# KiCad board [DFR1144][M027.00940](V1.0.0).kicad_pcb
title: MXM GPU Card Carrier for LattePanda Mu; date: 2024-10-12; rev: V1.0.0; company: DFRobot
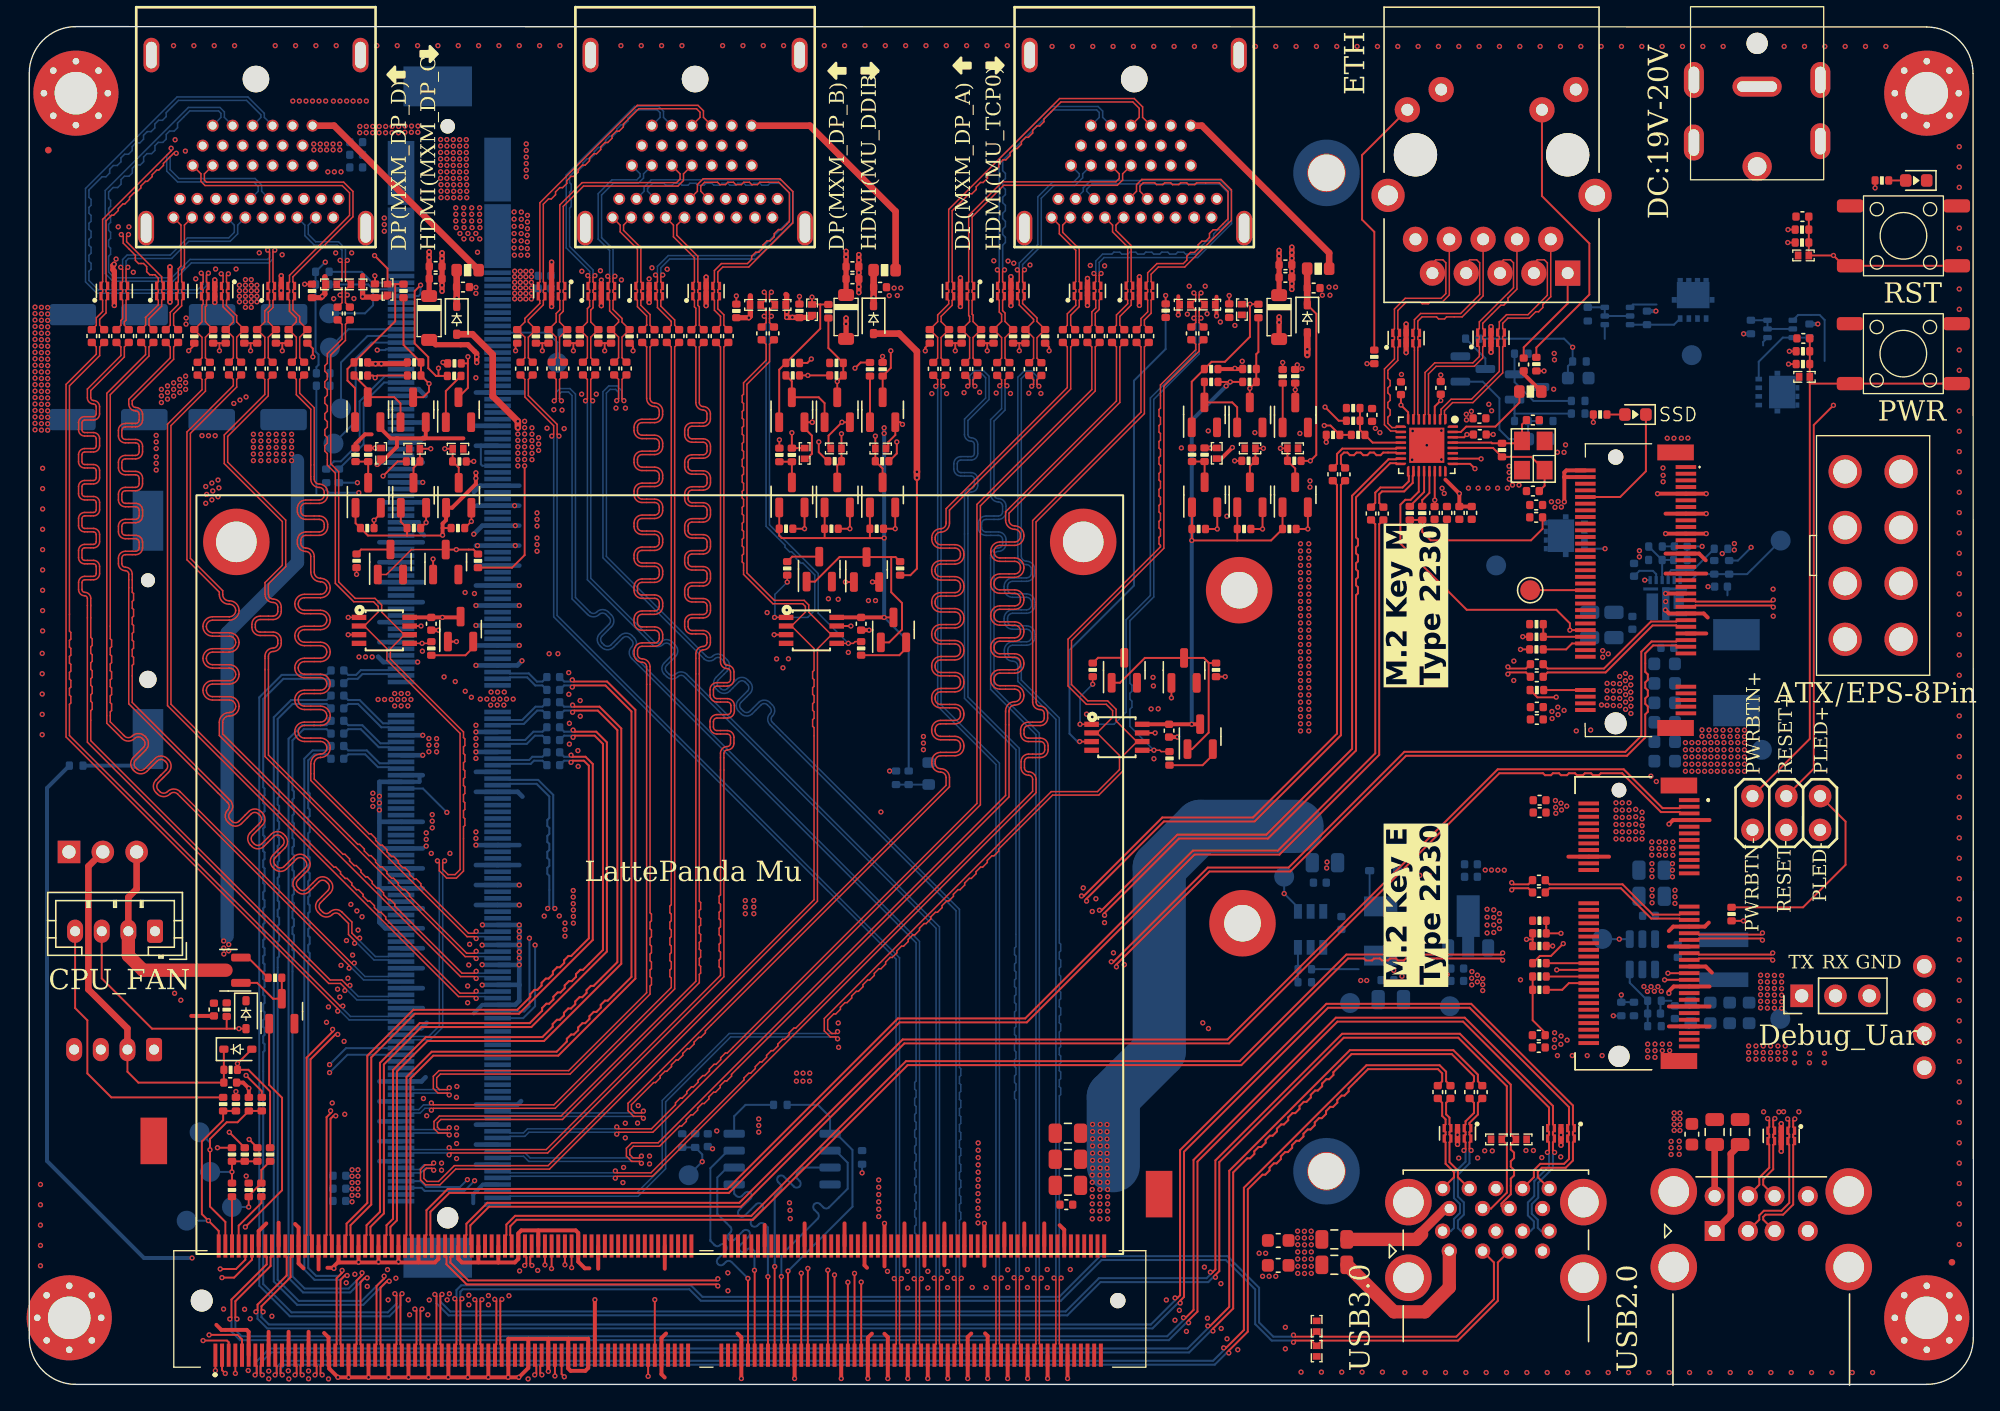
[diagram p0: board, top side]
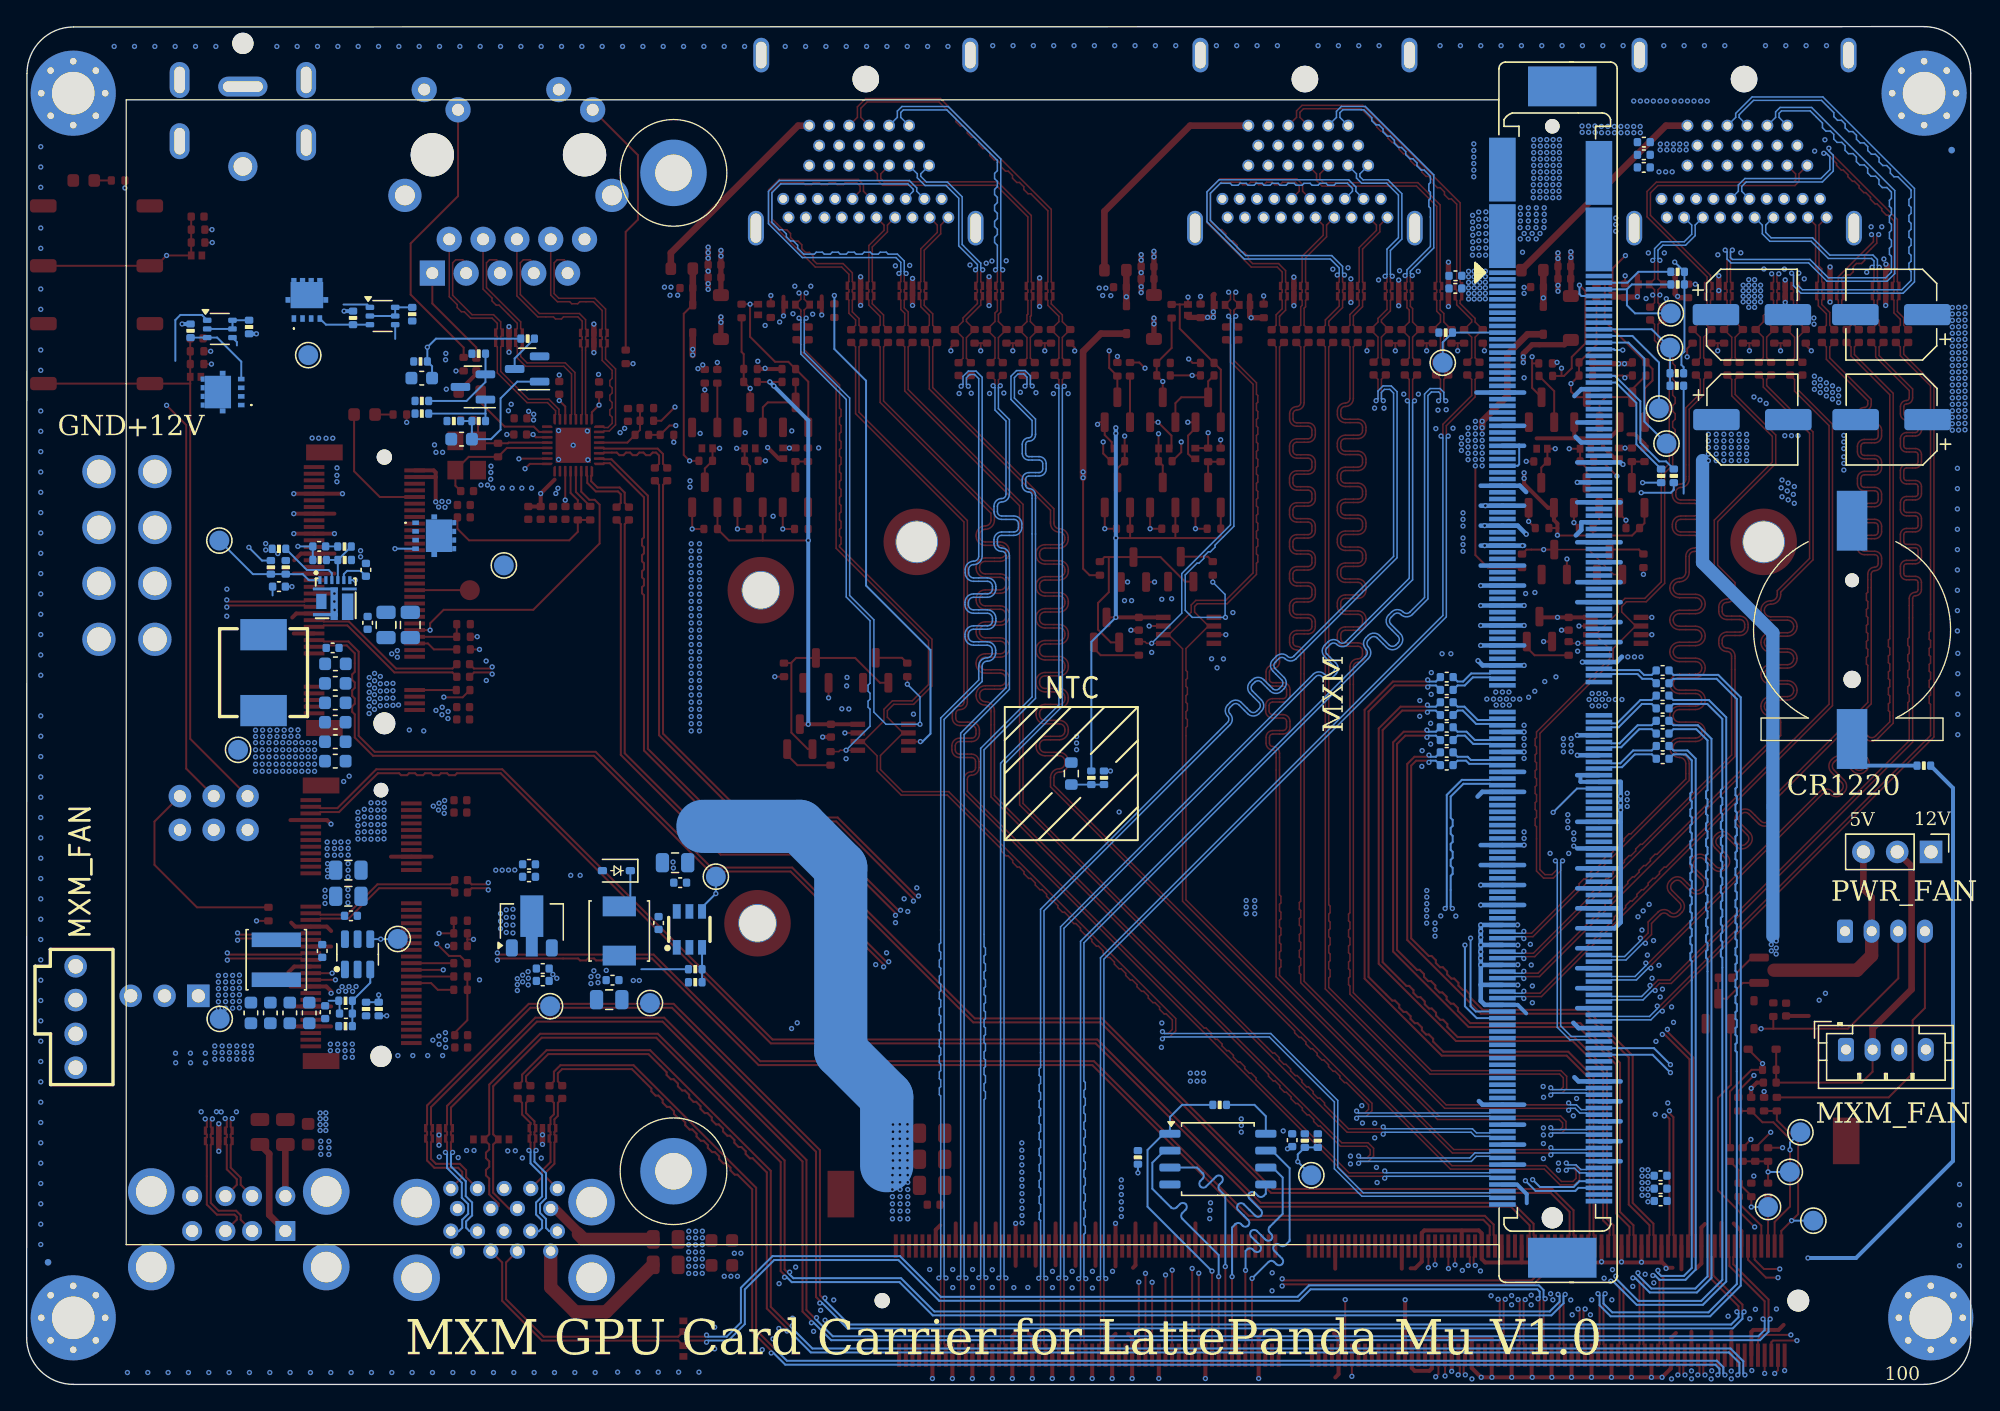
[diagram p1: board, bottom side, seen from below]

Outline 146 x 102 mm; copper layers: In1.SIG1, In2.GND (plane), In3.SIG2, In4.PWR (plane), In5.GND (plane), In6.SIG3, In7.GND (plane), In8.SIG4. Coordinates in mm from the lower left corner of the outline.
Outline path: 0,98.5 arc(1.03,100.97) 3.5,102 142.47,101.97 arc(144.95,100.95) 145.97,98.47 146,3.5 arc(144.97,1.03) 142.5,0 3.5,0 arc(1.03,1.03) 0,3.5 0,98.5
Stack: In1.SIG1 0.035mm / dielectric 0.1mm FR4 er 4.5 / In2.GND 0.0152mm / dielectric 0.3153mm FR4 er 4.5 / In3.SIG2 0.0152mm / dielectric 0.1mm FR4 er 4.5 / In4.PWR 0.035mm / dielectric 0.3153mm FR4 er 4.5 / In5.GND 0.035mm / dielectric 0.1mm FR4 er 4.5 / In6.SIG3 0.035mm / dielectric 0.3153mm FR4 er 4.5 / In7.GND 0.035mm / dielectric 0.1mm FR4 er 4.5 / In8.SIG4 0.035mm

## Placement (name value [footprint] x y rotation side)
A1  LattePanda_Module_Gen1  [DDR4_SODIMM_260P_8.0H_STD]  47.35 13.88 180 top
BT1  Battery_Cell  [Battery_Holder_CR1220_S8411-45R]  8.91 56.68 180 bottom
C1  100nF/50V  [C_0402_1005Metric]  75.09 76.27 90 top
C2  100nF/50V  [C_0402_1005Metric]  76.01 76.27 90 top
C3  100nF/50V  [C_0402_1005Metric]  73.61 76.28 90 top
C4  100nF/50V  [C_0402_1005Metric]  72.69 76.28 90 top
C5  100nF/50V  [C_0402_1005Metric]  70.29 76.28 90 top
C6  100nF/50V  [C_0402_1005Metric]  71.21 76.28 90 top
C7  100nF/50V  [C_0402_1005Metric]  68.81 76.29 90 top
C8  100nF/50V  [C_0402_1005Metric]  67.89 76.29 90 top
C9  100nF/50V  [C_0402_1005Metric]  96.45 82.36 0 top
C10  100nF/50V  [C_0402_1005Metric]  46.03 78.75 90 top
C11  100nF/50V  [C_0402_1005Metric]  46.95 78.75 90 top
C12  100nF/50V  [C_0402_1005Metric]  48.8 78.75 90 top
C13  100nF/50V  [C_0402_1005Metric]  47.88 78.75 90 top
C14  100nF/50V  [C_0402_1005Metric]  49.73 78.75 90 top
C15  100nF/50V  [C_0402_1005Metric]  50.65 78.75 90 top
C16  100nF/50V  [C_0402_1005Metric]  52.5 78.75 90 top
C17  100nF/50V  [C_0402_1005Metric]  51.57 78.75 90 top
C18  100nF/50V  [C_0402_1005Metric]  55 78.95 90 top
C19  100nF/50V  [C_0402_1005Metric]  103.01 74.83 270 top
C20  100nF/50V  [C_0402_1005Metric]  106 74.86 270 top
C21  100nF/50V  [C_0402_1005Metric]  108.93 71.36 180 top
C22  100nF/50V  [C_0402_1005Metric]  105.54 65.47 90 top
C23  100nF/50V  [C_0402_1005Metric]  100.84 72.83 270 top
C24  100nF/50V  [C_0402_1005Metric]  98.82 68.37 270 top
C25  100nF/50V  [C_0402_1005Metric]  101.69 65.42 270 top
C26  100nF/50V  [C_0402_1005Metric]  107.4 65.47 90 top
C27  100nF/50V  [C_0402_1005Metric]  108.91 72.57 180 top
C28  100nF/50V  [C_0402_1005Metric]  97.89 68.37 270 top
C29  100nF/50V  [C_0402_1005Metric]  100.77 65.42 270 top
C30  10uF/10V  [C_0402_1005Metric]  108.33 65.47 90 top
C31  100nF/50V  [C_0402_1005Metric]  106.47 65.47 90 top
C32  12pF/50V  [C_0402_1005Metric]  112.92 72.44 180 top
C33  12pF/50V  [C_0402_1005Metric]  112.92 67.11 0 top
C34  100nF/50V  [C_0402_1005Metric]  112.23 76.62 270 top
C35  220nF/16V  [C_0402_1005Metric]  113.21 53.15 0 top
C36  220nF/16V  [C_0402_1005Metric]  113.21 54.1 0 top
C37  10uF/10V  [C_0402_1005Metric]  113.22 50.88 0 top
C38  100nF/50V  [C_0402_1005Metric]  113.22 49.95 0 top
C39  10uF/10V  [C_0402_1005Metric]  113.17 66.06 0 top
C40  100nF/50V  [C_0402_1005Metric]  113.17 65.14 0 top
C41  220nF/16V  [C_0402_1005Metric]  113.37 37.88 0 top
C42  220nF/16V  [C_0402_1005Metric]  113.37 36.96 0 top
C43  10uF/10V  [C_0402_1005Metric]  113.42 43.88 0 top
C44  100nF/50V  [C_0402_1005Metric]  113.42 42.96 0 top
C45  10uF/10V  [C_0402_1005Metric]  113.36 25.31 0 top
C46  100nF/50V  [C_0402_1005Metric]  113.36 26.23 0 top
C47  1uF/50V  [C_0603_1608Metric]  113.34 71.01 0 bottom
C48  1uF/50V  [C_0603_1608Metric]  116.33 75.59 0 bottom
C49  22uF/35V  [C_0805_2012Metric]  117.19 57.05 90 bottom
C50  22uF/35V  [C_0805_2012Metric]  119.01 57.05 90 bottom
C51  2.2uF/10V  [C_0402_1005Metric]  133.23 78.58 180 top
C52  22uF/35V  [C_0805_2012Metric]  121.84 36.67 0 bottom
C53  22uF/35V  [C_0805_2012Metric]  121.84 38.63 0 bottom
C54  2.2uF/10V  [C_0402_1005Metric]  133.16 87.73 180 top
C55  22uF/10V  [C_0603_1608Metric]  122.82 46.82 0 bottom
C56  100nF/50V  [C_0402_1005Metric]  123.8 32.56 270 bottom
C57  22uF/10V  [C_0603_1608Metric]  122.82 48.28 0 bottom
C58  12pF/50V  [C_0402_1005Metric]  122.02 27.86 180 bottom
C59  22uF/10V  [C_0603_1608Metric]  122.82 49.74 0 bottom
C60  22uF/10V  [C_0603_1608Metric]  127.7 27.91 90 bottom
C61  22uF/35V  [C_0805_2012Metric]  78 18.87 0 top
C62  22uF/10V  [C_0603_1608Metric]  126.24 27.91 90 bottom
C63  22uF/35V  [C_0805_2012Metric]  78 16.91 0 top
C64  100nF/50V  [C_0402_1005Metric]  123.58 27.96 270 bottom
C65  100nF/50V  [C_0402_1005Metric]  77.88 13.5 180 top
C66  22uF/10V  [C_0603_1608Metric]  129.16 27.91 90 bottom
C67  22uF/35V  [C_0805_2012Metric]  78 14.95 0 top
C68  22uF/10V  [C_0603_1608Metric]  124.78 27.91 90 bottom
C69  100nF/50V  [C_0402_1005Metric]  13.87 28.16 270 top
C70  100nF/50V  [C_0402_1005Metric]  15.09 22.67 0 top
C71  100nF/50V  [C_0402_1005Metric]  43.92 76.31 90 top
C72  100nF/50V  [C_0402_1005Metric]  44.85 76.31 90 top
C73  100nF/50V  [C_0402_1005Metric]  42.5 76.31 90 top
C74  100nF/50V  [C_0402_1005Metric]  41.58 76.31 90 top
C75  100nF/50V  [C_0402_1005Metric]  39.23 76.31 90 top
C76  100nF/50V  [C_0402_1005Metric]  40.15 76.31 90 top
C77  100nF/50V  [C_0402_1005Metric]  37.81 76.31 90 top
C78  100nF/50V  [C_0402_1005Metric]  36.89 76.31 90 top
C79  100nF/50V  [C_0402_1005Metric]  63.89 82.42 0 top
C80  100nF/50V  [C_0402_1005Metric]  55.92 78.95 90 top
C81  100nF/50V  [C_0402_1005Metric]  61.82 83.97 180 top
C82  10uF/10V  [C_0402_1005Metric]  61.82 83.05 180 top
C83  100nF/50V  [C_0402_1005Metric]  19.72 76.31 90 top
C84  2.2uF/10V  [C_0402_1005Metric]  108.27 39.07 0 bottom
C85  100nF/50V  [C_0402_1005Metric]  108.27 38.13 0 bottom
C86  2.2uF/10V  [C_0402_1005Metric]  107.24 30.31 0 bottom
C87  220nF/16V  [C_0402_1005Metric]  39.35 47.48 180 bottom
C88  220nF/16V  [C_0402_1005Metric]  39.35 46.52 180 bottom
C89  220nF/16V  [C_0402_1005Metric]  39.35 49.36 180 bottom
C90  220nF/16V  [C_0402_1005Metric]  39.35 48.4 180 bottom
C91  220nF/16V  [C_0402_1005Metric]  39.35 51.24 180 bottom
C92  220nF/16V  [C_0402_1005Metric]  39.35 50.28 180 bottom
C93  220nF/16V  [C_0402_1005Metric]  39.35 53.13 180 bottom
C94  220nF/16V  [C_0402_1005Metric]  39.35 52.17 180 bottom
C95  47uF/25V  [CP_Elec_6.3x7.7]  5.94 72.48 0 bottom
C96  47uF/25V  [CP_Elec_6.3x7.7]  5.96 80.36 0 bottom
C97  100nF/50V  [C_0402_1005Metric]  24.55 93.32 0 bottom
C98  100nF/50V  [C_0402_1005Metric]  24.55 92.37 0 bottom
C99  100nF/50V  [C_0402_1005Metric]  24.55 91.42 0 bottom
C100  100uF/25V  [CP_Elec_6.3x7.7]  16.4 72.48 180 bottom
C101  100uF/25V  [CP_Elec_6.3x7.7]  16.43 80.36 180 bottom
C102  100nF/50V  [C_0402_1005Metric]  38.7 82.33 180 bottom
C103  2.2uF/10V  [C_0402_1005Metric]  38.7 83.28 180 bottom
C104  2.2uF/10V  [C_0402_1005Metric]  23.29 13.78 0 bottom
C105  2.2uF/10V  [C_0402_1005Metric]  23.29 15.67 0 bottom
C106  100nF/50V  [C_0402_1005Metric]  23.29 14.7 0 bottom
C107  100nF/50V  [C_0402_1005Metric]  20.64 76.31 90 top
C108  100nF/50V  [C_0402_1005Metric]  17.36 76.31 90 top
C109  100nF/50V  [C_0402_1005Metric]  18.28 76.31 90 top
C110  100nF/50V  [C_0402_1005Metric]  14.99 76.31 90 top
C111  100nF/50V  [C_0402_1005Metric]  15.91 76.31 90 top
C112  100nF/50V  [C_0402_1005Metric]  12.64 76.3 90 top
C113  100nF/50V  [C_0402_1005Metric]  13.56 76.3 90 top
C114  100nF/50V  [C_0402_1005Metric]  32.57 82.43 0 top
C115  100nF/50V  [C_0402_1005Metric]  10.25 78.75 90 top
C116  100nF/50V  [C_0402_1005Metric]  11.17 78.75 90 top
C117  100nF/50V  [C_0402_1005Metric]  8.4 78.75 90 top
C118  100nF/50V  [C_0402_1005Metric]  9.32 78.75 90 top
C119  100nF/50V  [C_0402_1005Metric]  6.55 78.75 90 top
C120  100nF/50V  [C_0402_1005Metric]  7.47 78.75 90 top
C121  100nF/50V  [C_0402_1005Metric]  4.69 78.75 90 top
C122  100nF/50V  [C_0402_1005Metric]  5.62 78.75 90 top
C123  100nF/50V  [C_0402_1005Metric]  23.15 80.45 90 top
C124  100nF/50V  [C_0402_1005Metric]  24.07 80.45 90 top
C125  100nF/50V  [C_0402_1005Metric]  30.52 83.98 180 top
C126  10uF/10V  [C_0402_1005Metric]  30.52 83.06 180 top
C127  100nF/50V  [C_0402_1005Metric]  85.6 49.11 90 top
C128  100nF/50V  [C_0402_1005Metric]  62.47 57.14 90 top
C129  100nF/50V  [C_0402_1005Metric]  30.19 57.14 90 top
C130  100nF/50V  [C_0402_1005Metric]  50.96 18.34 270 bottom
C131  100nF/50V  [C_0402_1005Metric]  107.24 31.24 0 bottom
C132  22uF/10V  [C_0603_1608Metric]  124.86 18.79 90 top
C133  220nF/16V  [C_0402_1005Metric]  23.13 47.96 0 bottom
C134  220nF/16V  [C_0402_1005Metric]  23.13 47 0 bottom
C135  220nF/16V  [C_0402_1005Metric]  23.14 49.85 0 bottom
C136  220nF/16V  [C_0402_1005Metric]  23.14 48.89 0 bottom
C137  220nF/16V  [C_0402_1005Metric]  23.14 51.74 0 bottom
C138  220nF/16V  [C_0402_1005Metric]  23.14 50.78 0 bottom
C139  220nF/16V  [C_0402_1005Metric]  23.14 53.63 0 bottom
C140  220nF/16V  [C_0402_1005Metric]  23.14 52.67 0 bottom
C141  2.2uF/10V  [C_0402_1005Metric]  120.52 61.19 90 bottom
C142  100nF/50V  [C_0402_1005Metric]  109.12 21.96 270 top
C143  100nF/50V  [C_0402_1005Metric]  108.17 21.96 270 top
C144  100nF/50V  [C_0402_1005Metric]  106.73 21.96 270 top
C145  100nF/50V  [C_0402_1005Metric]  105.78 21.96 270 top
C146  22uF/10V  [C_0603_1608Metric]  93.8 10.81 0 top
C147  22uF/10V  [C_0603_1608Metric]  93.79 8.94 0 top
C148  100nF/50V  [C_0402_1005Metric]  77.62 78.75 90 top
C149  100nF/50V  [C_0402_1005Metric]  78.54 78.75 90 top
C150  100nF/50V  [C_0402_1005Metric]  80.39 78.75 90 top
C151  100nF/50V  [C_0402_1005Metric]  79.47 78.75 90 top
C152  100nF/50V  [C_0402_1005Metric]  81.31 78.75 90 top
C153  100nF/50V  [C_0402_1005Metric]  82.23 78.75 90 top
C154  100nF/50V  [C_0402_1005Metric]  84.08 78.75 90 top
C155  100nF/50V  [C_0402_1005Metric]  83.16 78.75 90 top
C156  100nF/50V  [C_0402_1005Metric]  87.27 78.96 90 top
C157  100nF/50V  [C_0402_1005Metric]  88.19 78.96 90 top
C158  100nF/50V  [C_0402_1005Metric]  94.34 83.16 180 top
C159  10uF/10V  [C_0402_1005Metric]  94.34 84.1 180 top
C160  22uF/35V  [C_0805_2012Metric]  102.25 28.9 180 bottom
C161  100nF/50V  [C_0402_1005Metric]  102 30.37 0 bottom
C162  100nF/50V  [C_0402_1005Metric]  127.05 59.93 0 bottom
C164  100nF/50V  [C_0402_1005Metric]  121.64 35.2 180 bottom
C165  100nF/50V  [C_0402_1005Metric]  120.39 57.21 270 bottom
C166  22uF/10V  [C_0603_1608Metric]  122.82 51.2 0 bottom
C167  22uF/35V  [C_0805_2012Metric]  97.3 39.19 180 bottom
C168  100nF/50V  [C_0402_1005Metric]  96.92 37.69 0 bottom
C169  220pF/50V  [C_0402_1005Metric]  124.03 62.95 0 bottom
C170  100nF/50V  [C_0402_1005Metric]  98.54 34.66 270 bottom
C173  22uF/10V  [C_0603_1608Metric]  122.82 52.66 0 bottom
C174  22uF/10V  [C_0603_1608Metric]  122.81 54.13 0 bottom
C175  100nF/50V  [C_0402_1005Metric]  123.02 55.33 180 bottom
D1  ESD5V0B03  [DFN1006-2L-BI]  91.68 70.31 0 top
D2  ESD5V0B03  [DFN1006-2L-BI]  89.18 69.95 90 top
D3  ESD5V0B03  [DFN1006-2L-BI]  94.89 70.32 180 top
D4  1N5819W  [D_SOD-323]  95.98 80.05 270 top
D5  ESD5V0B03  [DFN1006-2L-BI]  56.4 81.09 180 top
D6  ESD5V0B03  [DFN1006-2L-BI]  54.53 81.09 0 top
D7  ESD5V0B03  [DFN1006-2L-BI]  58.78 80.73 90 top
D8  1N5819W  [D_SOD-123]  61.34 80.19 270 top
D9  LED_G  [LED_0603_1608Metric]  120.62 72.86 180 top
D10  ESD5V0B03  [DFN1006-2L-BI]  133.32 75.69 0 top
D11  LED_G  [LED_0603_1608Metric]  141.71 90.44 180 top
D12  1N5819W  [D_SOD-323]  101.71 38.59 0 bottom
D13  ESD5V0B03  [DFN1006-2L-BI]  133.24 84.81 0 top
D14  1N5819W  [D_SOD-323]  16.28 27.77 270 top
D15  1N5819W  [D_SOD-323]  15.66 25.18 0 top
D16  ESD5V0B03  [DFN1006-2L-BI]  60.59 70.31 0 top
D17  ESD5V0B03  [DFN1006-2L-BI]  58.23 69.94 90 top
D18  ESD5V0B03  [DFN1006-2L-BI]  63.94 70.31 180 top
D19  1N5819W  [D_SOD-323]  63.4 79.99 270 top
D21  ESD5V0B03  [DFN1006-2L-BI]  28.94 70.29 0 top
D22  ESD5V0B03  [DFN1006-2L-BI]  26.42 69.94 90 top
D23  ESD5V0B03  [DFN1006-2L-BI]  32.2 70.29 180 top
D24  1N5819W  [D_SOD-323]  32.1 79.94 270 top
D25  ESD5V0B03  [DFN1006-2L-BI]  24.55 82.64 180 top
D26  ESD5V0B03  [DFN1006-2L-BI]  22.68 82.64 0 top
D27  ESD5V0B03  [DFN1006-2L-BI]  26.9 82.25 90 top
D28  1N5819W  [D_SOD-123]  30.03 80.11 270 top
D33  ESD5V0B03  [DFN1006-2L-BI]  112.05 18.4 180 top
D34  ESD5V0B03  [DFN1006-2L-BI]  110.18 18.4 0 top
D35  ESD5V0B03  [DFN1006-2L-BI]  96.68 2.5 90 top
D36  ESD5V0B03  [DFN1006-2L-BI]  96.68 4.37 270 top
D43  ESD5V0B03  [DFN1006-2L-BI]  88.66 81.11 180 top
D44  ESD5V0B03  [DFN1006-2L-BI]  86.79 81.11 0 top
D45  ESD5V0B03  [DFN1006-2L-BI]  91.07 80.75 90 top
D46  1N5819W  [D_SOD-123]  93.86 80.18 270 top
F1  6V/50mA  [R_0603_1608Metric]  96.8 83.82 0 top
F2  6V/50mA  [R_0603_1608Metric]  32.92 83.7 0 top
F3  6V/500mA  [Fuse_0805_2012Metric]  128.48 18.96 270 top
F4  6V/1A  [Fuse_0805_2012Metric]  98.01 8.98 0 top
F5  6V/1A  [Fuse_0805_2012Metric]  98.01 10.89 0 top
F6  6V/50mA  [R_0603_1608Metric]  64.23 83.7 0 top
F7  6V/500mA  [Fuse_0805_2012Metric]  126.57 18.96 270 top
FID1  Fiducial  [Fiducial_0.5mm_Mask1mm]  1.43 92.72 0 top
FID2  Fiducial  [Fiducial_0.5mm_Mask1mm]  144.39 9.17 0 top
FID3  Fiducial  [Fiducial_0.5mm_Mask1mm]  1.43 92.72 180 bottom
FID4  Fiducial  [Fiducial_0.5mm_Mask1mm]  144.39 9.17 180 bottom
H1  MountingHole_Pad  [MountingHole_3.2mm_M3_Pad_Via]  142.5 97 0 top
H2  MountingHole_Pad  [MountingHole_3.2mm_M3_Pad_Via]  3.5 97 0 top
H3  MountingHole_Pad  [MountingHole_3.2mm_M3_Pad_Via]  3 5 0 top
H4  MountingHole_Pad  [MountingHole_3.2mm_M3_Pad_Via]  142.5 5 0 top
H5  MountingHole_Pad  [MountingHole_3mm_M2_Pad_TopOnly]  79.15 63.29 180 top
H6  MountingHole_Pad  [MountingHole_3mm_M2_Pad_TopOnly]  15.55 63.29 180 top
H7  MountingHole_M2.0  [MountingHole_2.7mm_M2_Pad_TopOnly]  90.86 59.66 270 top
H8  MountingHole_M2.0  [MountingHole_2.7mm_M2_Pad_TopOnly]  91.11 34.64 270 top
H9  MountingHole_Pad  [MountingHole_2.7mm_M2_Pad_TopOnly]  97.42 91.01 180 bottom
H10  MountingHole_Pad  [MountingHole_2.7mm_M2_Pad_TopOnly]  97.42 16.01 180 bottom
J1  Conn_01x03_Pin  [PinHeader_1x03_P2.54mm_Vertical]  133.11 29.19 90 top
J2  USB_A_Stacked  [USB_A_CUI_UJ2-ADH-TH_Horizontal_Stacked]  126.57 11.52 90 top
J4  RJ45_RB1-125B8G1A  [RJ45_UDE_RB1-125B8G1A]  115.53 83.48 180 top
J5  Bus_M.2_Socket_M  [PCIe_M.2_Connectors_P=0.5mm_H=4.2mm_KeyM]  120.84 59.66 270 top
J6  Bus_M.2_Socket_E  [PCIe_M.2_Connectors_P=0.5mm_H=4.2mm_KeyE]  124.66 43.89 270 top
J7  Barrel_Jack_Switch  [DC_Jack_DC007B_30V_10A]  129.76 103.49 0 top
J8  Conn_01x03_Pin  [PinHeader_1x03_P2.54mm_Vertical]  2.98 40 270 bottom
J11  MXM3.0  [MXM]  108.64 40.87 180 bottom
J13  USB3_A_Stacked  [USB3_A_Molex_48406-0001_Horizontal_Stacked]  106.64 10.01 0 top
J14  -  [CPU_PWRCONN-8P]  139.12 62.27 90 top
JP3  ~  [SIPJ2X3]  131.95 42.92 0 top
L2  2.2uH/4.3A  [L_Sunlord_SWPA4020S]  127.25 31.9 270 bottom
L3  22uH/1.2A  [L_Sunlord_SWPA4020S#2]  101.49 34.06 270 bottom
L4  1.5uH/12A  [IND-SMD_L7.2-W6.6_GPSR0730]  128.21 53.47 270 bottom
M1  Fan_4pin  [JST_PH_B4B-PH-K_1x04_P2.00mm_Vertical]  9.44 34.04 180 top
M2  Fan_4pin  [JST_PH_B4B-PH-K_1x04_P2.00mm_Vertical]  9.37 25.15 180 bottom
M3  Fan_4pin  [CONN-TH_4P-P2.54_CAX_2510-4A]  142.32 27.6 90 bottom
Q1  2N7002  [SOT-23]  88.27 66.83 90 top
Q2  2SK3018  [SOT-23]  91.67 66.83 90 top
Q3  2SK3018  [SOT-23]  95.07 66.83 90 top
Q4  2SK3018  [SOT-23]  95.07 72.82 90 top
Q5  2SK3018  [SOT-23]  60.68 73.22 90 top
Q6  2SK3018  [SOT-23]  57.27 73.22 90 top
Q7  2N7002  [SOT-23]  25.45 66.79 90 top
Q8  2SK3018  [SOT-23]  28.85 66.79 90 top
Q9  2N7002  [SOT-23]  108.41 76.28 0 bottom
Q10  2N7002  [SOT-23]  18.96 28.03 90 top
Q11  NCE30P28Q  [MOSFET_PDFN8_3.3x3.3]  115.39 63.75 270 bottom
Q12  AO3407  [SOT-23]  14.96 31.11 180 top
Q13  NCE30P28Q  [MOSFET_PDFN8_3.3x3.3]  124.96 81.47 180 bottom
Q14  NCE30P28Q  [MOSFET_PDFN8_3.3x3.3]  131.28 74.55 90 bottom
Q15  2N7002  [SOT-23]  57.27 66.82 90 top
Q16  2SK3018  [SOT-23]  60.68 66.82 90 top
Q17  2SK3018  [SOT-23]  64.08 66.82 90 top
Q18  2SK3018  [SOT-23]  64.09 73.22 90 top
Q19  2SK3018  [SOT-23]  32.25 66.79 90 top
Q20  2SK3018  [SOT-23]  32.23 73.22 90 top
Q21  2SK3018  [SOT-23]  28.82 73.22 90 top
Q22  2SK3018  [SOT-23]  25.42 73.23 90 top
Q23  2SK3018  [SOT-23]  82.23 53.65 90 top
Q24  2SK3018  [SOT-23]  87.93 48.66 90 top
Q25  2SK3018  [SOT-23]  86.72 53.64 90 top
Q26  2SK3018  [SOT-23]  59.33 61.24 90 top
Q27  2SK3018  [SOT-23]  64.9 56.68 90 top
Q28  2SK3018  [SOT-23]  62.88 61.21 90 top
Q29  2SK3018  [SOT-23]  27.12 61.78 90 top
Q30  2SK3018  [SOT-23]  32.39 56.74 90 top
Q31  2SK3018  [SOT-23]  31.28 61.78 90 top
Q33  BCM857BS-7-F  [SOT-363_SC-70-6]  119.27 80.26 180 bottom
Q34  2SK3018  [SOT-23]  91.66 72.83 90 top
Q35  2SK3018  [SOT-23]  88.25 72.83 90 top
Q37  BCM857BS-7-F  [SOT-363_SC-70-6]  131.49 79.29 180 bottom
R1  100K/1%  [R_0402_1005Metric]  62.54 17.05 90 bottom
R2  1K/1%  [R_0402_1005Metric]  3.52 46.48 0 bottom
R3  10K/1%  [R_0402_1005Metric]  50.01 18.31 90 bottom
R4  2.2K/1%  [R_0402_1005Metric]  94.63 64.26 0 top
R5  1M/1%  [R_0402_1005Metric]  87.82 64.26 180 top
R6  2.2K/1%  [R_0402_1005Metric]  91.23 64.26 0 top
R7  21.5K/1%  [R_0402_1005Metric]  87.32 69.84 90 top
R8  470R/1%  [R_0402_1005Metric]  67.63 78.73 270 top
R9  470R/1%  [R_0402_1005Metric]  69.07 78.73 270 top
R10  470R/1%  [R_0402_1005Metric]  71.48 78.73 270 top
R11  470R/1%  [R_0402_1005Metric]  70.02 78.73 270 top
R12  1K/1%  [R_0402_1005Metric]  88.26 69.84 90 top
R13  0R/1%  [R_0402_1005Metric]  95.07 75.73 90 top
R14  470R/1%  [R_0402_1005Metric]  72.42 78.73 270 top
R15  470R/1%  [R_0402_1005Metric]  73.88 78.73 270 top
R16  2.2K/1%  [R_0402_1005Metric]  91.57 69.38 0 top
R17  470R/1%  [R_0402_1005Metric]  76.29 78.73 270 top
R18  470R/1%  [R_0402_1005Metric]  74.81 78.73 270 top
R19  2.2K/1%  [R_0402_1005Metric]  95 69.38 180 top
R20  2.2K/1%  [R_0402_1005Metric]  94.13 75.73 270 top
R21  100K/1%  [R_0402_1005Metric]  60.62 76.74 180 top
R22  2.2K/1%  [R_0402_1005Metric]  60.62 75.8 0 top
R23  2.2K/1%  [R_0402_1005Metric]  57.34 75.8 180 top
R24  100K/1%  [R_0402_1005Metric]  57.34 76.74 0 top
R25  1M/1%  [R_0402_1005Metric]  53.1 80.64 270 top
R26  5.1M/1%  [R_0402_1005Metric]  57.84 80.65 270 top
R27  2.2K/1%  [R_0402_1005Metric]  32.19 64.33 0 top
R28  1M/1%  [R_0402_1005Metric]  25.38 64.33 0 top
R29  2.2K/1%  [R_0402_1005Metric]  28.88 64.33 0 top
R30  21.5K/1%  [R_0402_1005Metric]  24.5 69.83 90 top
R31  470R/1%  [R_0402_1005Metric]  13.81 78.73 270 top
R32  470R/1%  [R_0402_1005Metric]  12.39 78.73 270 top
R33  470R/1%  [R_0402_1005Metric]  16.15 78.73 270 top
R34  470R/1%  [R_0402_1005Metric]  14.75 78.73 270 top
R35  1K/1%  [R_0402_1005Metric]  25.45 69.83 90 top
R36  0R/1%  [R_0402_1005Metric]  31.93 76.7 180 top
R37  470R/1%  [R_0402_1005Metric]  18.52 78.73 270 top
R38  0R/1%  [R_0402_1005Metric]  99.42 72.39 180 top
R39  0R/1%  [R_0402_1005Metric]  99.42 73.34 0 top
R40  10K/1%  [R_0402_1005Metric]  103.68 65.45 90 top
R41  10K/1%  [R_0402_1005Metric]  104.61 65.45 90 top
R42  2.49K/1%  [R_0603_1608Metric]  112.73 74.58 180 top
R43  1M/1%  [R_0402_1005Metric]  110.6 70.19 270 top
R44  470R/1%  [R_0402_1005Metric]  113.18 76.64 270 top
R45  470R/1%  [R_0402_1005Metric]  101.01 77.19 270 top
R46  0R/1%  [R_0402_1005Metric]  113.19 56.16 0 top
R47  0R/1%  [R_0402_1005Metric]  113.19 57.11 180 top
R49  0R/1%  [R_0402_1005Metric]  113.22 52.16 180 top
R50  2.2K/1%  [R_0402_1005Metric]  117.97 72.86 180 top
R51  0R/1%  [R_0402_1005Metric]  113.41 33.88 0 top